# KiCad board mse-68-vhdci-panel.kicad_pcb (continued)
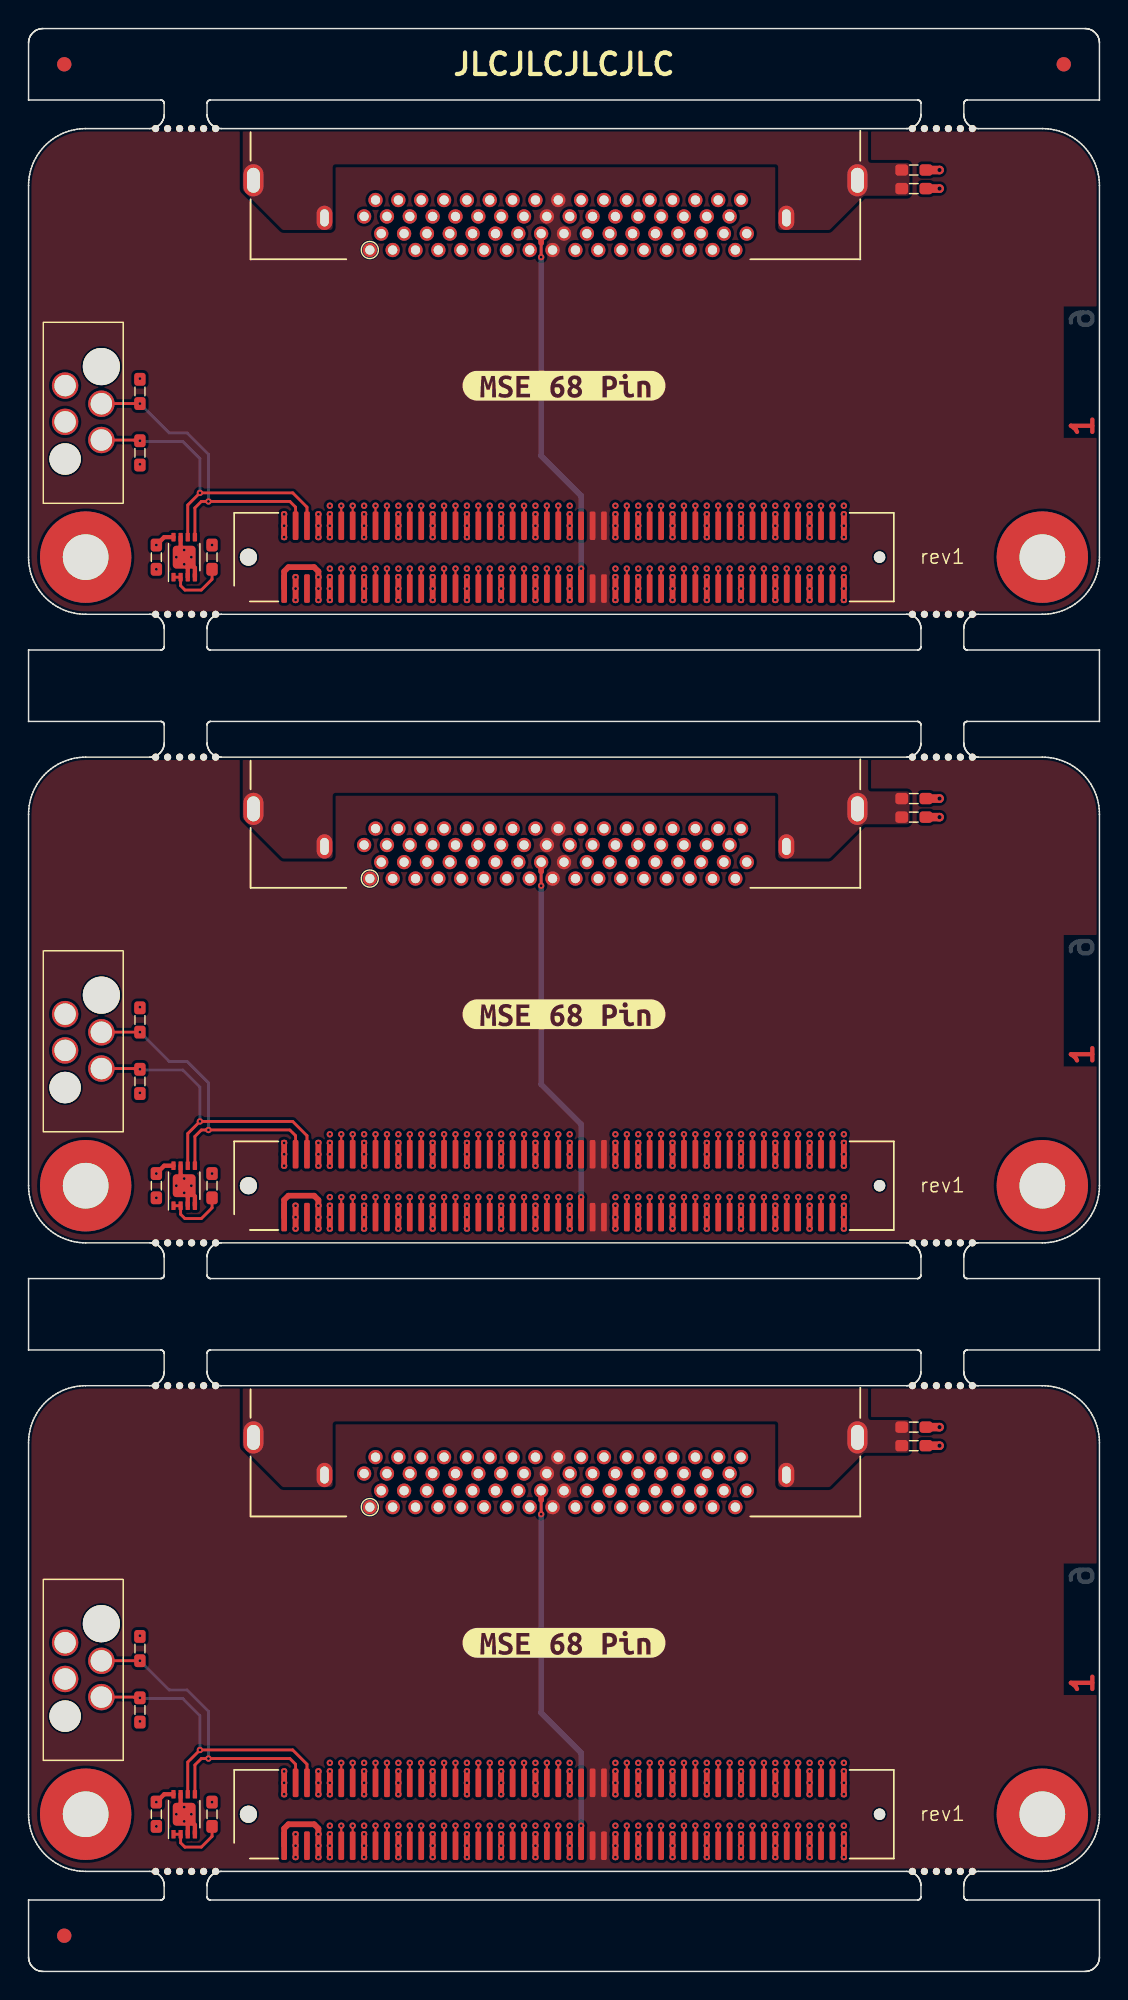
[diagram p0: board, top side]
## Routing (per net, layer and track width the routed paths; a pad name or vN(x,y) marks a point on that pad's centre or on a via; arc(x,y) is an arc through that point) (continued)
Board_1-/CON.RST+: length 29.6
  Top w0.151: J1#3.71 v1(45.9,54.2)
  In3.Cu w0.151: J4#3.25 43.7,75.9 43.7,74.67 arc(43.63,74.51) 43.46,74.44 arc(43.3,74.37) 43.23,74.2 43.23,74.07 arc(43.3,73.91) 43.46,73.84 arc(43.63,73.77) 43.7,73.6 43.7,73.47 arc(43.63,73.31) 43.46,73.24 arc(43.3,73.17) 43.23,73 43.23,72.87 arc(43.3,72.71) 43.46,72.64 arc(43.63,72.57) 43.7,72.4 43.7,72.27 arc(43.63,72.11) 43.46,72.04 arc(43.3,71.97) 43.23,71.8 43.23,71.67 arc(43.3,71.51) 43.46,71.44 arc(43.63,71.37) 43.7,71.2 43.7,71.07 arc(43.63,70.91) 43.46,70.84 arc(43.3,70.77) 43.23,70.6 43.23,70.47 arc(43.3,70.31) 43.46,70.24 arc(43.63,70.17) 43.7,70 43.7,69.87 arc(43.63,69.71) 43.46,69.64 arc(43.3,69.57) 43.23,69.4 43.23,69.27 arc(43.3,69.11) 43.46,69.04 arc(43.63,68.97) 43.7,68.8 43.7,68.67 arc(43.63,68.51) 43.46,68.44 arc(43.3,68.37) 43.23,68.2 43.23,68.07 arc(43.3,67.91) 43.46,67.84 arc(43.63,67.77) 43.7,67.6 43.7,67.47 arc(43.63,67.31) 43.46,67.24 arc(43.3,67.17) 43.23,67 43.23,66.87 arc(43.3,66.71) 43.46,66.64 arc(43.63,66.57) 43.7,66.4 43.7,66.27 arc(43.63,66.11) 43.46,66.04 arc(43.3,65.97) 43.23,65.8 43.23,65.67 arc(43.3,65.51) 43.46,65.44 arc(43.63,65.37) 43.7,65.2 43.7,64.96 arc(43.65,64.83) 43.52,64.78 arc(43.39,64.73) 43.34,64.6 43.34,64.36 arc(43.39,64.23) 43.52,64.18 arc(43.65,64.13) 43.7,64 43.7,60.8 45.59,58.91 45.59,58.41 45.6,58.4 45.59,58.39 45.59,54.51 v1(45.9,54.2)
Board_1-/CON.RST-: length 27
  Top w0.151: J1#3.72 v1(45.9,58.6)
  In2.Cu w0.151: J4#3.59 42.7,78.2 42.9,78 42.9,77.48 43.7,76.68 43.7,73.48 arc(43.63,73.31) 43.46,73.24 43.45,73.24 arc(43.28,73.17) 43.21,73 43.21,72.88 arc(43.28,72.71) 43.45,72.64 43.46,72.64 arc(43.63,72.57) 43.7,72.4 43.7,72.28 arc(43.63,72.11) 43.46,72.04 43.45,72.04 arc(43.28,71.97) 43.21,71.8 43.21,71.68 arc(43.28,71.51) 43.45,71.44 43.46,71.44 arc(43.63,71.37) 43.7,71.2 43.7,71.03 arc(43.64,70.88) 43.49,70.82 arc(43.34,70.75) 43.27,70.6 43.27,70.43 arc(43.34,70.28) 43.49,70.22 arc(43.64,70.15) 43.7,70 43.7,69.83 arc(43.64,69.68) 43.49,69.62 arc(43.34,69.55) 43.27,69.4 43.27,69.23 arc(43.34,69.08) 43.49,69.02 arc(43.64,68.95) 43.7,68.8 43.7,68.63 arc(43.64,68.48) 43.49,68.42 arc(43.34,68.35) 43.27,68.2 43.27,68.03 arc(43.34,67.88) 43.49,67.82 arc(43.64,67.75) 43.7,67.6 43.7,67.43 arc(43.64,67.28) 43.49,67.22 arc(43.34,67.15) 43.27,67 43.27,66.83 arc(43.34,66.68) 43.49,66.62 arc(43.64,66.55) 43.7,66.4 43.7,66.23 arc(43.64,66.08) 43.49,66.02 arc(43.34,65.95) 43.27,65.8 43.27,65.63 arc(43.34,65.48) 43.49,65.42 arc(43.64,65.35) 43.7,65.2 43.7,64.98 arc(43.64,64.85) 43.51,64.79 arc(43.38,64.74) 43.32,64.6 43.32,64.38 arc(43.38,64.25) 43.51,64.19 arc(43.64,64.14) 43.7,64 43.7,60.8 v1(45.9,58.6)
Board_1-/CON.SEL+: length 29.6
  Top w0.151: J1#3.77 v1(48.3,54.2)
  In3.Cu w0.151: v1(48.3,54.2) 48,54.5 48,58.9 45.3,61.6 45.3,65 arc(45.23,65.17) 45.06,65.24 45.06,65.24 arc(44.89,65.31) 44.82,65.48 44.82,65.6 arc(44.89,65.77) 45.06,65.84 45.06,65.84 arc(45.23,65.91) 45.3,66.08 45.3,66.2 arc(45.23,66.37) 45.06,66.44 45.06,66.44 arc(44.89,66.51) 44.82,66.68 44.82,66.8 arc(44.89,66.97) 45.06,67.04 45.06,67.04 arc(45.23,67.11) 45.3,67.28 45.3,67.4 arc(45.23,67.57) 45.06,67.64 45.06,67.64 arc(44.89,67.71) 44.82,67.88 44.82,68 arc(44.89,68.17) 45.06,68.24 45.06,68.24 arc(45.23,68.31) 45.3,68.48 45.3,68.6 arc(45.23,68.77) 45.06,68.84 45.06,68.84 arc(44.89,68.91) 44.82,69.08 44.82,69.2 arc(44.89,69.37) 45.06,69.44 45.06,69.44 arc(45.23,69.51) 45.3,69.68 45.3,69.8 arc(45.23,69.97) 45.06,70.04 45.06,70.04 arc(44.89,70.11) 44.82,70.28 44.82,70.4 arc(44.89,70.57) 45.06,70.64 45.06,70.64 arc(45.23,70.71) 45.3,70.88 45.3,71 arc(45.23,71.17) 45.06,71.24 45.06,71.24 arc(44.89,71.31) 44.82,71.48 44.82,71.6 arc(44.89,71.77) 45.06,71.84 45.06,71.84 arc(45.23,71.91) 45.3,72.08 45.3,72.2 arc(45.23,72.37) 45.06,72.44 45.06,72.44 arc(44.89,72.51) 44.82,72.68 44.82,72.8 arc(44.89,72.97) 45.06,73.04 45.06,73.04 arc(45.23,73.11) 45.3,73.28 45.3,73.4 arc(45.23,73.57) 45.06,73.64 45.06,73.64 arc(44.89,73.71) 44.82,73.88 44.82,74 arc(44.89,74.17) 45.06,74.24 45.06,74.24 arc(45.23,74.31) 45.3,74.48 45.3,75.9 J4#3.27
Board_1-/CON.SEL-: length 27
  Top w0.151: J1#3.78 v1(48.3,58.6)
  In2.Cu w0.151: v1(48.3,58.6) 45.3,61.6 45.3,65 arc(45.23,65.16) 45.07,65.23 arc(44.91,65.3) 44.84,65.46 44.84,65.6 arc(44.91,65.76) 45.07,65.83 arc(45.23,65.9) 45.3,66.06 45.3,66.2 arc(45.23,66.36) 45.07,66.43 arc(44.91,66.5) 44.84,66.66 44.84,66.8 arc(44.91,66.96) 45.07,67.03 arc(45.23,67.1) 45.3,67.26 45.3,67.4 arc(45.23,67.56) 45.07,67.63 arc(44.91,67.7) 44.84,67.86 44.84,68 arc(44.91,68.16) 45.07,68.23 arc(45.23,68.3) 45.3,68.46 45.3,68.6 arc(45.23,68.76) 45.07,68.83 arc(44.91,68.9) 44.84,69.06 44.84,69.2 arc(44.91,69.36) 45.07,69.43 arc(45.23,69.5) 45.3,69.66 45.3,69.8 arc(45.23,69.96) 45.07,70.03 arc(44.91,70.1) 44.84,70.26 44.84,70.4 arc(44.91,70.56) 45.07,70.63 arc(45.23,70.7) 45.3,70.86 45.3,71 arc(45.23,71.16) 45.07,71.23 arc(44.91,71.3) 44.84,71.46 44.84,71.6 arc(44.91,71.76) 45.07,71.83 arc(45.23,71.9) 45.3,72.06 45.3,72.2 arc(45.23,72.36) 45.07,72.43 arc(44.91,72.5) 44.84,72.66 44.84,72.8 arc(44.91,72.96) 45.07,73.03 arc(45.23,73.1) 45.3,73.26 45.3,76.68 44.5,77.48 44.5,78 44.3,78.2 J4#3.61
Board_1-/PHY.ID_SCL: length 22.5
  Top w0.2: J3#2.4 7.4,63.2 7.45,63.15 v1(7.8,63.15) ; J1#3.6 19.5,58.5 18.5,59.5 v1(12,59.5) 11.15,58.65 U1#3.6
  Bottom w0.2: v1(7.8,63.15) 7.85,63.1 10.8,63.1 12,61.9 v1(12,59.5)
Board_1-/PHY.ID_SDA: length 23
  Top w0.2: J3#2.2 5.11,65.75 v1(7.8,65.75) ; U1#3.5 11.65,58.45 12.1,58.9 18.3,58.9 18.7,58.5 J1#3.4
  Bottom w0.2: v1(7.8,65.75) 9.85,63.7 11.1,63.7 12.6,62.2 v1(12.6,58.9)
Board_1-GND: length 9.9
  Top w0.3: U1#3.3 11.15,54.25 v1(10.9,54.5) ; U1#3.4 11.65,54.25 U1#3.EP ; v1(10.9,55.5) 10.65,55.75 U1#3.7
  Top w0.4: J1#3.1 17.9,54 18.2,54.3 20,54.3 20.3,54 v1(20.3,53.6)
  Top w0.6: C2#3.1 v2(63.8,82.1) ; R4.2 v2(63.8,80.8)
  vias: v1(8.95,54.15) v1(10.35,55) v1(11.4,55) v1(17.9,58) v1(17.9,57.2) v1(17.9,56.4) v1(20.3,58) v1(20.3,57.2) v1(20.3,56.4) v1(20.3,52.8) v1(20.3,52) v1(21.1,58.6) v1(21.1,58) v1(21.1,57.2) v1(21.1,56.4) v1(21.1,54.2) v1(21.1,53.6) v1(21.1,52.8) v1(21.1,52) v1(23.5,58.6) v1(23.5,58) v1(23.5,57.2) v1(23.5,56.4) v1(23.5,54.2) v1(23.5,53.6) v1(23.5,52.8) v1(23.5,52) v1(25.9,58.6) v1(25.9,58) v1(25.9,57.2) v1(25.9,56.4) v1(25.9,54.2) v1(25.9,53.6) v1(25.9,52.8) v1(25.9,52) v1(28.3,58.6) v1(28.3,58) v1(28.3,57.2) v1(28.3,56.4) v1(28.3,54.2) v1(28.3,53.6) v1(28.3,52.8) v1(28.3,52) v1(30.7,58.6) v1(30.7,58) v1(30.7,57.2) v1(30.7,56.4) v1(30.7,54.2) v1(30.7,53.6) v1(30.7,52.8) v1(30.7,52) v1(33.1,58.6) v1(33.1,58) v1(33.1,57.2) v1(33.1,56.4) v1(33.1,54.2) v1(33.1,53.6) v1(33.1,52.8) v1(33.1,52) v1(35.5,58.6) v1(35.5,58) v1(35.5,57.2) v1(35.5,56.4) v1(35.5,54.2) v1(35.5,53.6) v1(35.5,52.8) v1(35.5,52) v1(37.9,58.6) v1(37.9,58) v1(37.9,57.2) v1(37.9,56.4) v1(37.9,54.2) v1(37.9,53.6) v1(37.9,52.8) v1(37.9,52) v1(41.1,58.6) v1(41.1,58) v1(41.1,57.2) v1(41.1,56.4) v1(41.1,54.2) v1(41.1,53.6) v1(41.1,52.8) v1(41.1,52) v1(42.7,58.6) v1(42.7,58) v1(42.7,57.2) v1(42.7,56.4) v1(42.7,54.2) v1(42.7,53.6) v1(42.7,52.8) v1(42.7,52) v1(45.1,58.6) v1(45.1,58) v1(45.1,57.2) v1(45.1,56.4) v1(45.1,54.2) v1(45.1,53.6) v1(45.1,52.8) v1(45.1,52) v1(47.5,58.6) v1(47.5,58) v1(47.5,57.2) v1(47.5,56.4) v1(47.5,54.2) v1(47.5,53.6) v1(47.5,52.8) v1(47.5,52) v1(49.9,58.6) v1(49.9,58) v1(49.9,57.2) v1(49.9,56.4) v1(49.9,54.2) v1(49.9,53.6) v1(49.9,52.8) v1(49.9,52) v1(52.3,58.6) v1(52.3,58) v1(52.3,57.2) v1(52.3,56.4) v1(52.3,54.2) v1(52.3,53.6) v1(52.3,52.8) v1(52.3,52) v1(54.7,58.6) v1(54.7,58) v1(54.7,57.2) v1(54.7,56.4) v1(54.7,54.2) v1(54.7,53.6) v1(54.7,52.8) v1(54.7,52) v1(57.1,58.6) v1(57.1,58) v1(57.1,57.2) v1(57.1,56.4) v1(57.1,54.2) v1(57.1,53.6) v1(57.1,52.8) v1(57.1,52)
Board_1-Net-(U1-E0): length 4.4
  Top w0.2: R1.1 12.85,53.45 12.1,52.7 10.95,52.7 10.65,53 U1#3.2 U1#3.1
Board_2-+3V3: length 1.4
  Top w0.3: v1(8.95,11.85) 9.5,12.4 U1#2.8
  vias: v1(7.8,23.5) v1(7.8,17.5) v1(12.85,11.85) v1(18.7,9.6) v1(18.7,8.8) v1(18.7,8)
Board_2-/CON.ACK+: length 29.6
  Top w0.151: J1.67 v1(44.3,10.2)
  In3.Cu w0.151: J4.24 42.3,32.3 42.5,32.1 42.5,29.42 arc(42.56,29.27) 42.71,29.21 arc(42.86,29.15) 42.92,29 42.92,28.82 arc(42.86,28.67) 42.71,28.61 arc(42.56,28.55) 42.5,28.4 42.5,28.22 arc(42.56,28.07) 42.71,28.01 arc(42.86,27.95) 42.92,27.8 42.92,27.62 arc(42.86,27.47) 42.71,27.41 arc(42.56,27.35) 42.5,27.2 42.5,27.02 arc(42.56,26.87) 42.71,26.81 arc(42.86,26.75) 42.92,26.6 42.92,26.42 arc(42.86,26.27) 42.71,26.21 arc(42.56,26.15) 42.5,26 42.5,25.82 arc(42.56,25.67) 42.71,25.61 arc(42.86,25.55) 42.92,25.4 42.92,25.22 arc(42.86,25.07) 42.71,25.01 arc(42.56,24.95) 42.5,24.8 42.5,24.62 arc(42.56,24.47) 42.71,24.41 arc(42.86,24.35) 42.92,24.2 42.92,24.02 arc(42.86,23.87) 42.71,23.81 arc(42.56,23.75) 42.5,23.6 42.5,23.42 arc(42.56,23.27) 42.71,23.21 arc(42.86,23.15) 42.92,23 42.92,22.82 arc(42.86,22.67) 42.71,22.61 arc(42.56,22.55) 42.5,22.4 42.5,22.22 arc(42.56,22.07) 42.71,22.01 arc(42.86,21.95) 42.92,21.8 42.92,21.62 arc(42.86,21.47) 42.71,21.41 arc(42.56,21.35) 42.5,21.2 42.5,21.08 arc(42.57,20.91) 42.74,20.84 42.74,20.84 arc(42.91,20.77) 42.98,20.6 42.98,20.48 arc(42.91,20.31) 42.74,20.24 42.74,20.24 arc(42.57,20.17) 42.5,20 42.5,16.4 43.9,15 43.9,10.6 v1(44.3,10.2)
Board_2-/CON.ACK-: length 27
  Top w0.151: J1.68 v1(44.3,14.6)
  In2.Cu w0.151: J4.58 41.9,34.2 41.7,34 41.7,33.5 42.5,32.7 42.5,27.03 arc(42.56,26.88) 42.71,26.82 arc(42.87,26.75) 42.93,26.6 42.93,26.43 arc(42.87,26.28) 42.71,26.22 arc(42.56,26.15) 42.5,26 42.5,25.83 arc(42.56,25.68) 42.71,25.62 arc(42.87,25.55) 42.93,25.4 42.93,25.23 arc(42.87,25.08) 42.71,25.02 arc(42.56,24.95) 42.5,24.8 42.5,24.63 arc(42.56,24.48) 42.71,24.42 arc(42.87,24.35) 42.93,24.2 42.93,24.03 arc(42.87,23.88) 42.71,23.82 arc(42.56,23.75) 42.5,23.6 42.5,23.43 arc(42.56,23.28) 42.71,23.22 arc(42.87,23.15) 42.93,23 42.93,22.83 arc(42.87,22.68) 42.71,22.62 arc(42.56,22.55) 42.5,22.4 42.5,22.23 arc(42.56,22.08) 42.71,22.02 arc(42.87,21.95) 42.93,21.8 42.93,21.63 arc(42.87,21.48) 42.71,21.42 arc(42.56,21.35) 42.5,21.2 42.5,21.08 arc(42.57,20.91) 42.74,20.84 42.75,20.84 arc(42.92,20.77) 42.99,20.6 42.99,20.48 arc(42.92,20.31) 42.75,20.24 42.74,20.24 arc(42.57,20.17) 42.5,20 42.5,16.4 v1(44.3,14.6)
Board_2-/CON.ATN+: length 29.6
  Top w0.151: J1.61 v1(41.9,10.2)
  In3.Cu w0.151: J4.21 40.5,31.9 40.5,30.68 arc(40.43,30.51) 40.26,30.44 40.25,30.44 arc(40.08,30.37) 40.01,30.2 40.01,30.08 arc(40.08,29.91) 40.25,29.84 40.26,29.84 arc(40.43,29.77) 40.5,29.6 40.5,29.48 arc(40.43,29.31) 40.26,29.24 40.25,29.24 arc(40.08,29.17) 40.01,29 40.01,28.88 arc(40.08,28.71) 40.25,28.64 40.26,28.64 arc(40.43,28.57) 40.5,28.4 40.5,28.28 arc(40.43,28.11) 40.26,28.04 40.25,28.04 arc(40.08,27.97) 40.01,27.8 40.01,27.68 arc(40.08,27.51) 40.25,27.44 40.26,27.44 arc(40.43,27.37) 40.5,27.2 40.5,27.08 arc(40.43,26.91) 40.26,26.84 40.25,26.84 arc(40.08,26.77) 40.01,26.6 40.01,26.48 arc(40.08,26.31) 40.25,26.24 40.26,26.24 arc(40.43,26.17) 40.5,26 40.5,25.88 arc(40.43,25.71) 40.26,25.64 40.25,25.64 arc(40.08,25.57) 40.01,25.4 40.01,25.28 arc(40.08,25.11) 40.25,25.04 40.26,25.04 arc(40.43,24.97) 40.5,24.8 40.5,24.68 arc(40.43,24.51) 40.26,24.44 40.25,24.44 arc(40.08,24.37) 40.01,24.2 40.01,24.08 arc(40.08,23.91) 40.25,23.84 40.26,23.84 arc(40.43,23.77) 40.5,23.6 40.5,23.48 arc(40.43,23.31) 40.26,23.24 40.25,23.24 arc(40.08,23.17) 40.01,23 40.01,22.88 arc(40.08,22.71) 40.25,22.64 40.26,22.64 arc(40.43,22.57) 40.5,22.4 40.5,22.28 arc(40.43,22.11) 40.26,22.04 40.25,22.04 arc(40.08,21.97) 40.01,21.8 40.01,21.68 arc(40.08,21.51) 40.25,21.44 40.26,21.44 arc(40.43,21.37) 40.5,21.2 40.5,21.08 arc(40.43,20.91) 40.26,20.84 40.25,20.84 arc(40.08,20.77) 40.01,20.6 40.01,20.48 arc(40.08,20.31) 40.25,20.24 40.26,20.24 arc(40.43,20.17) 40.5,20 40.5,16 41.6,14.9 41.6,10.5 v1(41.9,10.2)
Board_2-/CON.ATN-: length 27
  Top w0.151: J1.62 v1(41.9,14.6)
  In2.Cu w0.151: J4.55 39.5,34.2 39.7,34 39.7,33.5 40.5,32.7 40.5,29.48 arc(40.43,29.31) 40.26,29.24 arc(40.1,29.17) 40.03,29 40.03,28.88 arc(40.1,28.71) 40.26,28.64 arc(40.43,28.57) 40.5,28.4 40.5,28.28 arc(40.43,28.11) 40.26,28.04 arc(40.1,27.97) 40.03,27.8 40.03,27.68 arc(40.1,27.51) 40.26,27.44 arc(40.43,27.37) 40.5,27.2 40.5,27.08 arc(40.43,26.91) 40.26,26.84 arc(40.1,26.77) 40.03,26.6 40.03,26.48 arc(40.1,26.31) 40.26,26.24 arc(40.43,26.17) 40.5,26 40.5,25.88 arc(40.43,25.71) 40.26,25.64 arc(40.1,25.57) 40.03,25.4 40.03,25.28 arc(40.1,25.11) 40.26,25.04 arc(40.43,24.97) 40.5,24.8 40.5,24.68 arc(40.43,24.51) 40.26,24.44 arc(40.1,24.37) 40.03,24.2 40.03,24.08 arc(40.1,23.91) 40.26,23.84 arc(40.43,23.77) 40.5,23.6 40.5,23.48 arc(40.43,23.31) 40.26,23.24 arc(40.1,23.17) 40.03,23 40.03,22.88 arc(40.1,22.71) 40.26,22.64 arc(40.43,22.57) 40.5,22.4 40.5,22.28 arc(40.43,22.11) 40.26,22.04 arc(40.1,21.97) 40.03,21.8 40.03,21.68 arc(40.1,21.51) 40.26,21.44 arc(40.43,21.37) 40.5,21.2 40.5,21.08 arc(40.43,20.91) 40.26,20.84 arc(40.1,20.77) 40.03,20.6 40.03,20.48 arc(40.1,20.31) 40.26,20.24 arc(40.43,20.17) 40.5,20 40.5,16 v1(41.9,14.6)
Board_2-/CON.BSY+: length 29.6
  Top w0.151: J1.65 v1(43.5,10.2)
  In3.Cu w0.151: v1(43.5,10.2) 43.2,10.5 43.2,14.9 42.1,16 42.1,20 arc(42.03,20.17) 41.86,20.24 41.85,20.24 arc(41.68,20.31) 41.61,20.48 41.61,20.6 arc(41.68,20.77) 41.85,20.84 41.86,20.84 arc(42.03,20.91) 42.1,21.08 42.1,21.2 arc(42.03,21.37) 41.86,21.44 41.85,21.44 arc(41.68,21.51) 41.61,21.68 41.61,21.8 arc(41.68,21.97) 41.85,22.04 41.86,22.04 arc(42.03,22.11) 42.1,22.28 42.1,22.4 arc(42.03,22.57) 41.86,22.64 41.85,22.64 arc(41.68,22.71) 41.61,22.88 41.61,23 arc(41.68,23.17) 41.85,23.24 41.86,23.24 arc(42.03,23.31) 42.1,23.48 42.1,23.6 arc(42.03,23.77) 41.86,23.84 41.85,23.84 arc(41.68,23.91) 41.61,24.08 41.61,24.2 arc(41.68,24.37) 41.85,24.44 41.86,24.44 arc(42.03,24.51) 42.1,24.68 42.1,24.8 arc(42.03,24.97) 41.86,25.04 41.85,25.04 arc(41.68,25.11) 41.61,25.28 41.61,25.4 arc(41.68,25.57) 41.85,25.64 41.86,25.64 arc(42.03,25.71) 42.1,25.88 42.1,26 arc(42.03,26.17) 41.86,26.24 41.85,26.24 arc(41.68,26.31) 41.61,26.48 41.61,26.6 arc(41.68,26.77) 41.85,26.84 41.86,26.84 arc(42.03,26.91) 42.1,27.08 42.1,27.2 arc(42.03,27.37) 41.86,27.44 41.85,27.44 arc(41.68,27.51) 41.61,27.68 41.61,27.8 arc(41.68,27.97) 41.85,28.04 41.86,28.04 arc(42.03,28.11) 42.1,28.28 42.1,28.4 arc(42.03,28.57) 41.86,28.64 41.85,28.64 arc(41.68,28.71) 41.61,28.88 41.61,29 arc(41.68,29.17) 41.85,29.24 41.86,29.24 arc(42.03,29.31) 42.1,29.48 42.1,29.6 arc(42.03,29.77) 41.86,29.84 41.85,29.84 arc(41.68,29.91) 41.61,30.08 41.61,30.2 arc(41.68,30.37) 41.85,30.44 41.86,30.44 arc(42.03,30.51) 42.1,30.68 42.1,31.9 J4.23
Board_2-/CON.BSY-: length 27
  Top w0.151: J1.66 v1(43.5,14.6)
  In2.Cu w0.151: v1(43.5,14.6) 42.1,16 42.1,20 arc(42.03,20.17) 41.86,20.24 arc(41.7,20.31) 41.63,20.48 41.63,20.6 arc(41.7,20.77) 41.86,20.84 arc(42.03,20.91) 42.1,21.08 42.1,21.2 arc(42.03,21.37) 41.86,21.44 arc(41.7,21.51) 41.63,21.68 41.63,21.8 arc(41.7,21.97) 41.86,22.04 arc(42.03,22.11) 42.1,22.28 42.1,22.4 arc(42.03,22.57) 41.86,22.64 arc(41.7,22.71) 41.63,22.88 41.63,23 arc(41.7,23.17) 41.86,23.24 arc(42.03,23.31) 42.1,23.48 42.1,23.6 arc(42.03,23.77) 41.86,23.84 arc(41.7,23.91) 41.63,24.08 41.63,24.2 arc(41.7,24.37) 41.86,24.44 arc(42.03,24.51) 42.1,24.68 42.1,24.8 arc(42.03,24.97) 41.86,25.04 arc(41.7,25.11) 41.63,25.28 41.63,25.4 arc(41.7,25.57) 41.86,25.64 arc(42.03,25.71) 42.1,25.88 42.1,26 arc(42.03,26.17) 41.86,26.24 arc(41.7,26.31) 41.63,26.48 41.63,26.6 arc(41.7,26.77) 41.86,26.84 arc(42.03,26.91) 42.1,27.08 42.1,27.2 arc(42.03,27.37) 41.86,27.44 arc(41.7,27.51) 41.63,27.68 41.63,27.8 arc(41.7,27.97) 41.86,28.04 arc(42.03,28.11) 42.1,28.28 42.1,28.4 arc(42.03,28.57) 41.86,28.64 arc(41.7,28.71) 41.63,28.88 41.63,29 arc(41.7,29.17) 41.86,29.24 arc(42.03,29.31) 42.1,29.48 42.1,32.68 41.3,33.48 41.3,34 41.1,34.2 J4.57
Board_2-/CON.C/D+: length 29.6
  Top w0.151: J1.79 v1(49.1,10.2)
  In3.Cu w0.151: J4.28 45.5,32.3 45.7,32.1 45.7,30.46 arc(45.77,30.3) 45.93,30.23 arc(46.09,30.16) 46.16,30 46.16,29.86 arc(46.09,29.7) 45.93,29.63 arc(45.77,29.56) 45.7,29.4 45.7,29.14 arc(45.75,29.02) 45.87,28.97 arc(45.99,28.92) 46.04,28.8 46.04,28.54 arc(45.99,28.42) 45.87,28.37 arc(45.75,28.32) 45.7,28.2 45.7,27.94 arc(45.75,27.82) 45.87,27.77 arc(45.99,27.72) 46.04,27.6 46.04,27.34 arc(45.99,27.22) 45.87,27.17 arc(45.75,27.12) 45.7,27 45.7,26.74 arc(45.75,26.62) 45.87,26.57 arc(45.99,26.52) 46.04,26.4 46.04,26.14 arc(45.99,26.02) 45.87,25.97 arc(45.75,25.92) 45.7,25.8 45.7,25.54 arc(45.75,25.42) 45.87,25.37 arc(45.99,25.32) 46.04,25.2 46.04,24.94 arc(45.99,24.82) 45.87,24.77 arc(45.75,24.72) 45.7,24.6 45.7,24.34 arc(45.75,24.22) 45.87,24.17 arc(45.99,24.12) 46.04,24 46.04,23.74 arc(45.99,23.62) 45.87,23.57 arc(45.75,23.52) 45.7,23.4 45.7,23.14 arc(45.75,23.02) 45.87,22.97 arc(45.99,22.92) 46.04,22.8 46.04,22.54 arc(45.99,22.42) 45.87,22.37 arc(45.75,22.32) 45.7,22.2 45.7,21.94 arc(45.75,21.82) 45.87,21.77 arc(45.99,21.72) 46.04,21.6 46.04,21.34 arc(45.99,21.22) 45.87,21.17 arc(45.75,21.12) 45.7,21 45.7,18 48.7,15 48.7,10.6 v1(49.1,10.2)
Board_2-/CON.C/D-: length 27
  Top w0.151: J1.80 v1(49.1,14.6)
  In2.Cu w0.151: J4.62 45.1,34.2 44.9,34 44.9,33.5 45.7,32.7 45.7,25.68 arc(45.77,25.51) 45.94,25.44 45.96,25.44 arc(46.13,25.37) 46.2,25.2 46.2,25.08 arc(46.13,24.91) 45.96,24.84 45.94,24.84 arc(45.77,24.77) 45.7,24.6 45.7,24.48 arc(45.77,24.31) 45.94,24.24 45.96,24.24 arc(46.13,24.17) 46.2,24 46.2,23.88 arc(46.13,23.71) 45.96,23.64 45.94,23.64 arc(45.77,23.57) 45.7,23.4 45.7,23.28 arc(45.77,23.11) 45.94,23.04 45.96,23.04 arc(46.13,22.97) 46.2,22.8 46.2,22.68 arc(46.13,22.51) 45.96,22.44 45.94,22.44 arc(45.77,22.37) 45.7,22.2 45.7,22.08 arc(45.77,21.91) 45.94,21.84 45.96,21.84 arc(46.13,21.77) 46.2,21.6 46.2,21.48 arc(46.13,21.31) 45.96,21.24 45.94,21.24 arc(45.77,21.17) 45.7,21 45.7,18 v1(49.1,14.6)
Board_2-/CON.DB0+: length 29.6
  Top w0.151: J1.25 v1(27.5,10.2)
  In3.Cu w0.151: J4.6 27.9,32.3 28.1,32.1 28.1,28.63 arc(28.16,28.48) 28.31,28.42 arc(28.47,28.35) 28.53,28.2 28.53,28.03 arc(28.47,27.88) 28.31,27.82 arc(28.16,27.75) 28.1,27.6 28.1,27.43 arc(28.16,27.28) 28.31,27.22 arc(28.47,27.15) 28.53,27 28.53,26.83 arc(28.47,26.68) 28.31,26.62 arc(28.16,26.55) 28.1,26.4 28.1,26.23 arc(28.16,26.08) 28.31,26.02 arc(28.47,25.95) 28.53,25.8 28.53,25.63 arc(28.47,25.48) 28.31,25.42 arc(28.16,25.35) 28.1,25.2 28.1,25.03 arc(28.16,24.88) 28.31,24.82 arc(28.47,24.75) 28.53,24.6 28.53,24.43 arc(28.47,24.28) 28.31,24.22 arc(28.16,24.15) 28.1,24 28.1,23.83 arc(28.16,23.68) 28.31,23.62 arc(28.47,23.55) 28.53,23.4 28.53,23.23 arc(28.47,23.08) 28.31,23.02 arc(28.16,22.95) 28.1,22.8 28.1,22.63 arc(28.16,22.48) 28.31,22.42 arc(28.47,22.35) 28.53,22.2 28.53,22.03 arc(28.47,21.88) 28.31,21.82 arc(28.16,21.75) 28.1,21.6 28.1,21.43 arc(28.16,21.28) 28.31,21.22 arc(28.47,21.15) 28.53,21 28.53,20.83 arc(28.47,20.68) 28.31,20.62 arc(28.16,20.55) 28.1,20.4 28.1,20.23 arc(28.16,20.08) 28.31,20.02 arc(28.47,19.95) 28.53,19.8 28.53,19.63 arc(28.47,19.48) 28.31,19.42 arc(28.16,19.35) 28.1,19.2 28.1,19.03 arc(28.16,18.88) 28.31,18.82 arc(28.47,18.75) 28.53,18.6 28.53,18.43 arc(28.47,18.28) 28.31,18.22 arc(28.16,18.15) 28.1,18 28.1,15.2 27.81,14.91 27.81,10.51 v1(27.5,10.2)
Board_2-/CON.DB0-: length 27
  Top w0.151: J1.26 v1(27.5,14.6)
  In2.Cu w0.151: v1(27.5,14.6) 28.1,15.2 28.1,18 arc(28.17,18.17) 28.34,18.24 28.36,18.24 arc(28.53,18.31) 28.6,18.48 28.6,18.6 arc(28.53,18.77) 28.36,18.84 28.34,18.84 arc(28.17,18.91) 28.1,19.08 28.1,19.2 arc(28.17,19.37) 28.34,19.44 28.36,19.44 arc(28.53,19.51) 28.6,19.68 28.6,19.8 arc(28.53,19.97) 28.36,20.04 28.34,20.04 arc(28.17,20.11) 28.1,20.28 28.1,20.4 arc(28.17,20.57) 28.34,20.64 28.36,20.64 arc(28.53,20.71) 28.6,20.88 28.6,21 arc(28.53,21.17) 28.36,21.24 28.34,21.24 arc(28.17,21.31) 28.1,21.48 28.1,21.6 arc(28.17,21.77) 28.34,21.84 28.36,21.84 arc(28.53,21.91) 28.6,22.08 28.6,22.2 arc(28.53,22.37) 28.36,22.44 28.34,22.44 arc(28.17,22.51) 28.1,22.68 28.1,22.8 arc(28.17,22.97) 28.34,23.04 28.36,23.04 arc(28.53,23.11) 28.6,23.28 28.6,23.4 arc(28.53,23.57) 28.36,23.64 28.34,23.64 arc(28.17,23.71) 28.1,23.88 28.1,24 arc(28.17,24.17) 28.34,24.24 28.36,24.24 arc(28.53,24.31) 28.6,24.48 28.6,24.6 arc(28.53,24.77) 28.36,24.84 28.34,24.84 arc(28.17,24.91) 28.1,25.08 28.1,32.68 27.3,33.48 27.3,34 27.5,34.2 J4.40
Board_2-/CON.DB1+: length 28.8
  Top w0.151: J1.29 v1(29.1,10.2)
  In3.Cu w0.151: J4.7 29.3,31.9 29.3,29.8 arc(29.24,29.66) 29.1,29.6 arc(28.96,29.54) 28.9,29.4 28.9,29.2 arc(28.96,29.06) 29.1,29 arc(29.24,28.94) 29.3,28.8 29.3,28.6 arc(29.24,28.46) 29.1,28.4 arc(28.96,28.34) 28.9,28.2 28.9,28 arc(28.96,27.86) 29.1,27.8 arc(29.24,27.74) 29.3,27.6 29.3,27.4 arc(29.24,27.26) 29.1,27.2 arc(28.96,27.14) 28.9,27 28.9,26.8 arc(28.96,26.66) 29.1,26.6 arc(29.24,26.54) 29.3,26.4 29.3,26.2 arc(29.24,26.06) 29.1,26 arc(28.96,25.94) 28.9,25.8 28.9,25.6 arc(28.96,25.46) 29.1,25.4 arc(29.24,25.34) 29.3,25.2 29.3,25 arc(29.24,24.86) 29.1,24.8 arc(28.96,24.74) 28.9,24.6 28.9,24.4 arc(28.96,24.26) 29.1,24.2 arc(29.24,24.14) 29.3,24 29.3,23.8 arc(29.24,23.66) 29.1,23.6 arc(28.96,23.54) 28.9,23.4 28.9,23.2 arc(28.96,23.06) 29.1,23 arc(29.24,22.94) 29.3,22.8 29.3,22.6 arc(29.24,22.46) 29.1,22.4 arc(28.96,22.34) 28.9,22.2 28.9,22 arc(28.96,21.86) 29.1,21.8 arc(29.24,21.74) 29.3,21.6 29.3,21.4 arc(29.24,21.26) 29.1,21.2 arc(28.96,21.14) 28.9,21 28.9,20.8 arc(28.96,20.66) 29.1,20.6 arc(29.24,20.54) 29.3,20.4 29.3,20.2 arc(29.24,20.06) 29.1,20 arc(28.96,19.94) 28.9,19.8 28.9,19.6 arc(28.96,19.46) 29.1,19.4 arc(29.24,19.34) 29.3,19.2 29.3,19 arc(29.24,18.86) 29.1,18.8 arc(28.96,18.74) 28.9,18.6 28.9,18.4 arc(28.96,18.26) 29.1,18.2 arc(29.24,18.14) 29.3,18 29.3,15.21 28.8,14.71 28.8,10.5 v1(29.1,10.2)
Board_2-/CON.DB1-: length 27
  Top w0.151: J1.30 v1(29.1,14.6)
  In2.Cu w0.151: J4.41 28.3,34.2 28.5,34 28.5,33.45 29.3,32.65 29.3,29.88 arc(29.23,29.71) 29.06,29.64 29.05,29.64 arc(28.88,29.57) 28.81,29.4 28.81,29.28 arc(28.88,29.11) 29.05,29.04 29.06,29.04 arc(29.23,28.97) 29.3,28.8 29.3,28.68 arc(29.23,28.51) 29.06,28.44 29.05,28.44 arc(28.88,28.37) 28.81,28.2 28.81,28.08 arc(28.88,27.91) 29.05,27.84 29.06,27.84 arc(29.23,27.77) 29.3,27.6 29.3,27.48 arc(29.23,27.31) 29.06,27.24 29.05,27.24 arc(28.88,27.17) 28.81,27 28.81,26.88 arc(28.88,26.71) 29.05,26.64 29.06,26.64 arc(29.23,26.57) 29.3,26.4 29.3,26.28 arc(29.23,26.11) 29.06,26.04 29.05,26.04 arc(28.88,25.97) 28.81,25.8 28.81,25.68 arc(28.88,25.51) 29.05,25.44 29.06,25.44 arc(29.23,25.37) 29.3,25.2 29.3,24.98 arc(29.24,24.85) 29.11,24.79 arc(28.98,24.74) 28.92,24.6 28.92,24.38 arc(28.98,24.25) 29.11,24.19 arc(29.24,24.14) 29.3,24 29.3,23.78 arc(29.24,23.65) 29.11,23.59 arc(28.98,23.54) 28.92,23.4 28.92,23.18 arc(28.98,23.05) 29.11,22.99 arc(29.24,22.94) 29.3,22.8 29.3,22.58 arc(29.24,22.45) 29.11,22.39 arc(28.98,22.34) 28.92,22.2 28.92,21.98 arc(28.98,21.85) 29.11,21.79 arc(29.24,21.74) 29.3,21.6 29.3,21.38 arc(29.24,21.25) 29.11,21.19 arc(28.98,21.14) 28.92,21 28.92,20.78 arc(28.98,20.65) 29.11,20.59 arc(29.24,20.54) 29.3,20.4 29.3,20.18 arc(29.24,20.05) 29.11,19.99 arc(28.98,19.93) 28.92,19.8 28.92,19.58 arc(28.98,19.45) 29.11,19.39 arc(29.24,19.33) 29.3,19.2 29.3,18.98 arc(29.24,18.85) 29.11,18.79 arc(28.98,18.73) 28.92,18.6 28.92,18.38 arc(28.98,18.25) 29.11,18.19 arc(29.24,18.13) 29.3,18 29.3,14.8 v1(29.1,14.6)
Board_2-/CON.DB2+: length 29.6
  Top w0.151: J1.31 v1(29.9,10.2)
  In3.Cu w0.151: J4.8 29.5,32.3 29.7,32.1 29.7,29.78 arc(29.76,29.65) 29.89,29.59 arc(30.02,29.54) 30.08,29.4 30.08,29.18 arc(30.02,29.05) 29.89,28.99 arc(29.76,28.94) 29.7,28.8 29.7,28.58 arc(29.76,28.45) 29.89,28.39 arc(30.02,28.34) 30.08,28.2 30.08,27.98 arc(30.02,27.85) 29.89,27.79 arc(29.76,27.74) 29.7,27.6 29.7,27.38 arc(29.76,27.25) 29.89,27.19 arc(30.02,27.14) 30.08,27 30.08,26.78 arc(30.02,26.65) 29.89,26.59 arc(29.76,26.54) 29.7,26.4 29.7,26.18 arc(29.76,26.05) 29.89,25.99 arc(30.02,25.94) 30.08,25.8 30.08,25.58 arc(30.02,25.45) 29.89,25.39 arc(29.76,25.34) 29.7,25.2 29.7,24.98 arc(29.76,24.85) 29.89,24.79 arc(30.02,24.74) 30.08,24.6 30.08,24.38 arc(30.02,24.25) 29.89,24.19 arc(29.76,24.14) 29.7,24 29.7,23.78 arc(29.76,23.65) 29.89,23.59 arc(30.02,23.54) 30.08,23.4 30.08,23.18 arc(30.02,23.05) 29.89,22.99 arc(29.76,22.94) 29.7,22.8 29.7,22.58 arc(29.76,22.45) 29.89,22.39 arc(30.02,22.34) 30.08,22.2 30.08,21.98 arc(30.02,21.85) 29.89,21.79 arc(29.76,21.74) 29.7,21.6 29.7,21.38 arc(29.76,21.25) 29.89,21.19 arc(30.02,21.14) 30.08,21 30.08,20.78 arc(30.02,20.65) 29.89,20.59 arc(29.76,20.54) 29.7,20.4 29.7,20.18 arc(29.76,20.05) 29.89,19.99 arc(30.02,19.94) 30.08,19.8 30.08,19.58 arc(30.02,19.45) 29.89,19.39 arc(29.76,19.34) 29.7,19.2 29.7,18.98 arc(29.76,18.85) 29.89,18.79 arc(30.02,18.74) 30.08,18.6 30.08,18.38 arc(30.02,18.25) 29.89,18.19 arc(29.76,18.14) 29.7,18 29.7,15.21 30.2,14.71 30.2,10.5 v1(29.9,10.2)
Board_2-/CON.DB2-: length 27
  Top w0.151: J1.32 v1(29.9,14.6)
  In2.Cu w0.151: J4.42 29.1,34.2 28.9,34 28.9,33.49 29.7,32.69 29.7,27.36 arc(29.75,27.23) 29.88,27.18 arc(30.01,27.13) 30.06,27 30.06,26.76 arc(30.01,26.63) 29.88,26.58 arc(29.75,26.53) 29.7,26.4 29.7,26.21 arc(29.76,26.07) 29.9,26.01 arc(30.05,25.95) 30.11,25.8 30.11,25.61 arc(30.05,25.47) 29.9,25.41 arc(29.76,25.35) 29.7,25.2 29.7,25.01 arc(29.76,24.87) 29.9,24.81 arc(30.05,24.75) 30.11,24.6 30.11,24.41 arc(30.05,24.27) 29.9,24.21 arc(29.76,24.15) 29.7,24 29.7,23.81 arc(29.76,23.67) 29.9,23.61 arc(30.05,23.55) 30.11,23.4 30.11,23.21 arc(30.05,23.07) 29.9,23.01 arc(29.76,22.95) 29.7,22.8 29.7,22.61 arc(29.76,22.47) 29.9,22.41 arc(30.05,22.35) 30.11,22.2 30.11,22.01 arc(30.05,21.87) 29.9,21.81 arc(29.76,21.75) 29.7,21.6 29.7,21.41 arc(29.76,21.27) 29.9,21.21 arc(30.05,21.15) 30.11,21 30.11,20.81 arc(30.05,20.67) 29.9,20.61 arc(29.76,20.55) 29.7,20.4 29.7,20.21 arc(29.76,20.07) 29.9,20.01 arc(30.05,19.95) 30.11,19.8 30.11,19.61 arc(30.05,19.47) 29.9,19.41 arc(29.76,19.35) 29.7,19.2 29.7,19.01 arc(29.76,18.87) 29.9,18.81 arc(30.05,18.75) 30.11,18.6 30.11,18.41 arc(30.05,18.27) 29.9,18.21 arc(29.76,18.15) 29.7,18 29.7,14.8 v1(29.9,14.6)